# Altium PCB PCB1.PcbDoc (part 1 of 2) (continued)
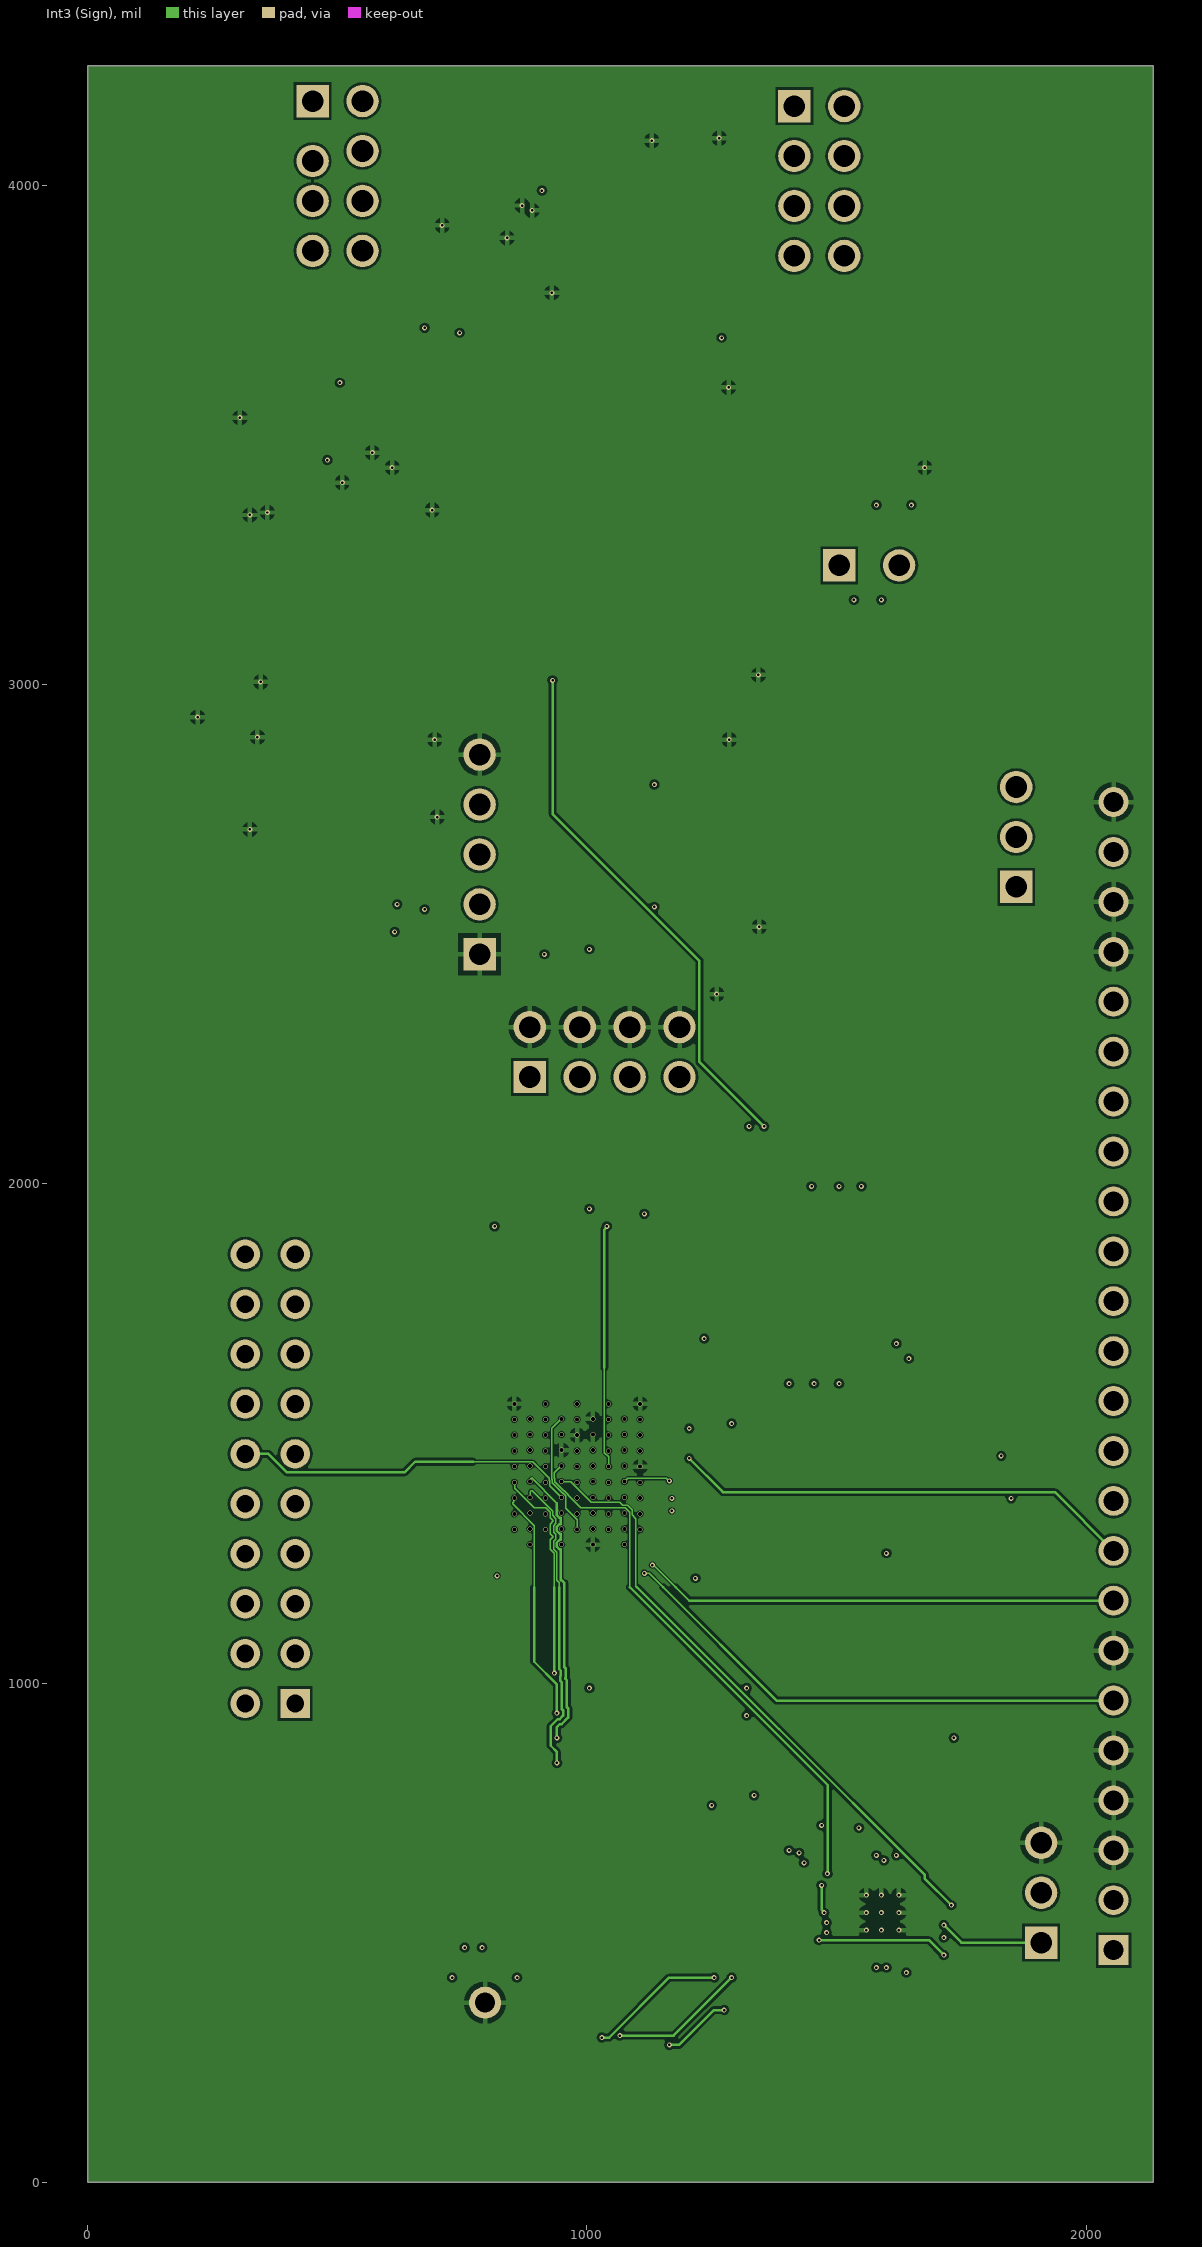
[diagram p4: Int3 (Sign)]
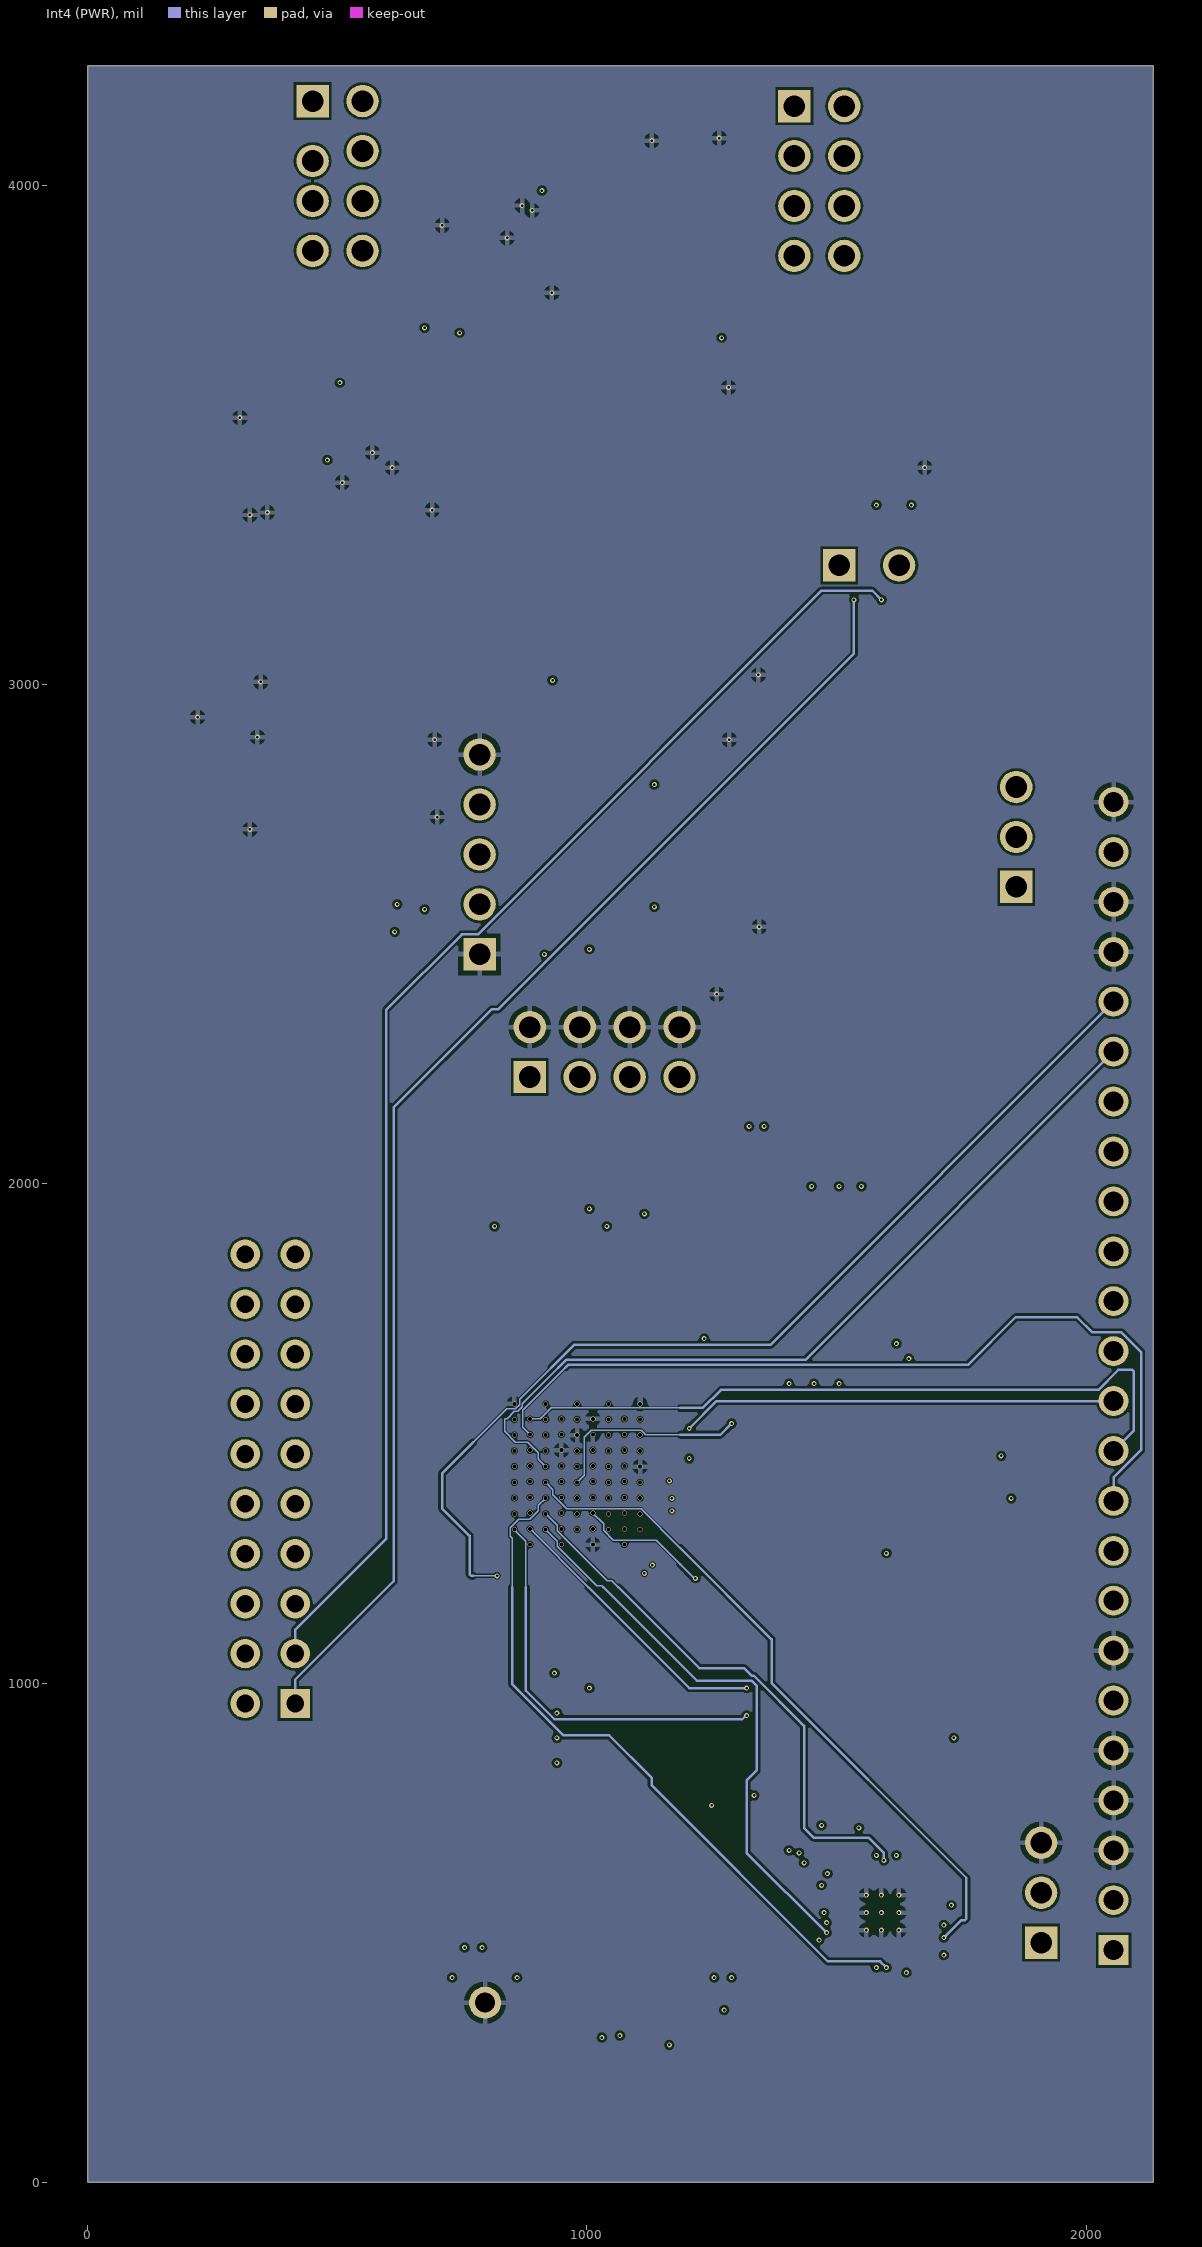
[diagram p5: Int4 (PWR)]
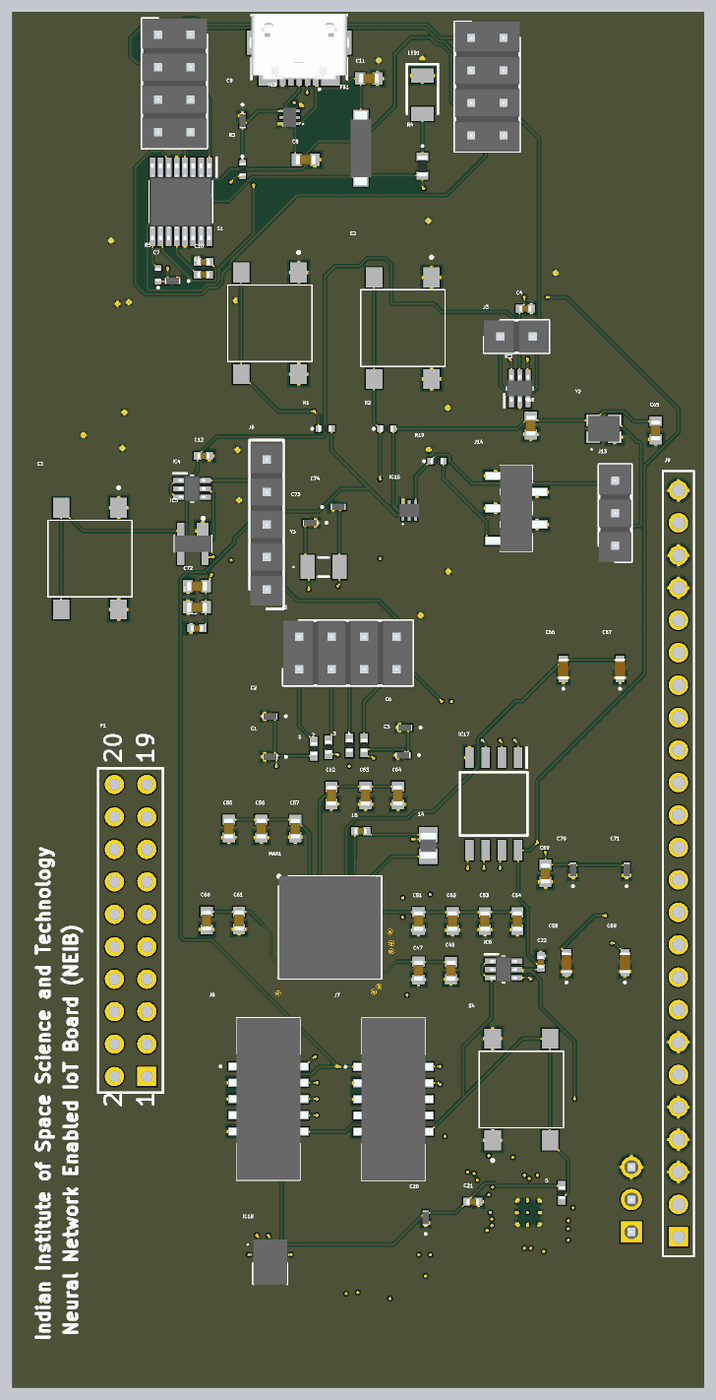
[diagram p7: 3D render of the assembled board from above, using the file's embedded part models]
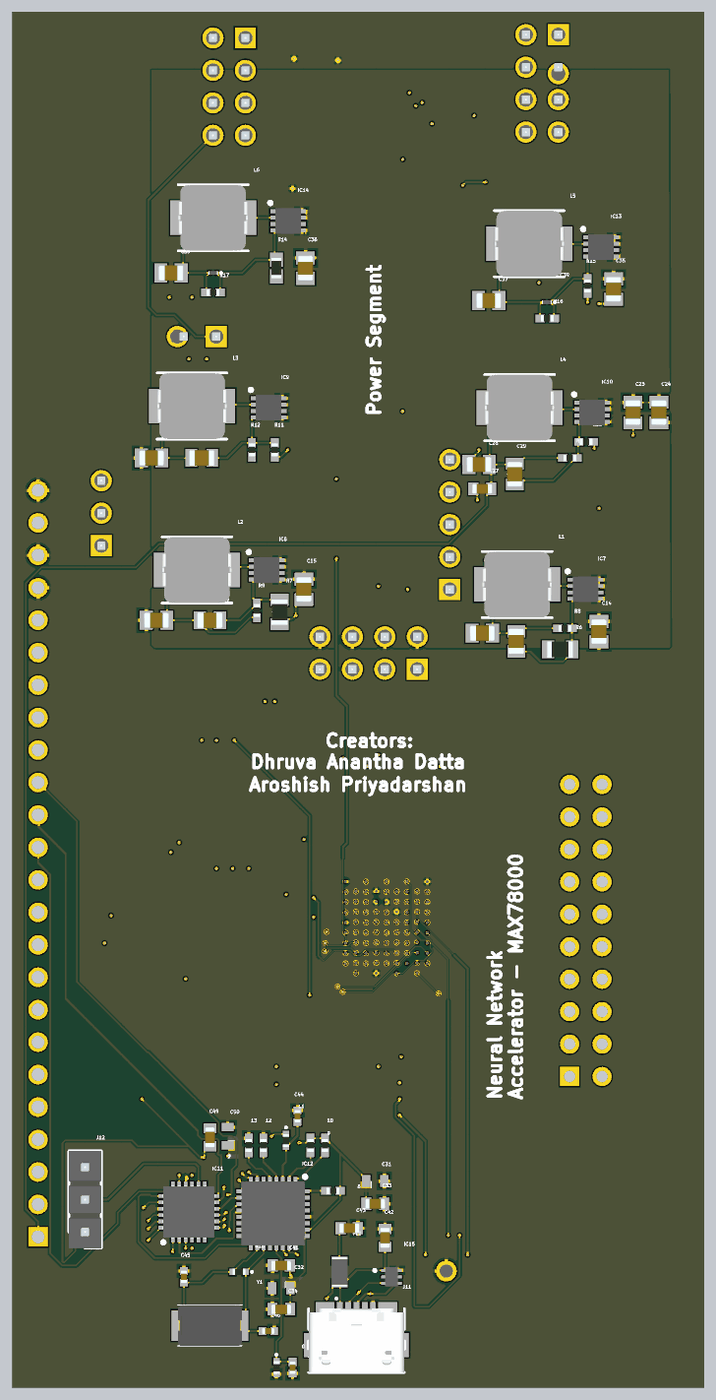
[diagram p8: 3D render of the assembled board from below, using the file's embedded part models]

## Layer stack, top to bottom
Top Solder: solder mask 1, SM-001, Dk 4
Top Layer: signal copper 1.378
Dielectric 1: prepreg 2.8, PP-006, Dk 4.1
Dielectric 2: prepreg 2.8, PP-006, Dk 4.1
Int1 (GND): signal copper 1.378
Dielectric 3: core 18, Core-035, Dk 4.7
Int2 (Sign): signal copper 1.378
Dielectric 4: prepreg 2.8, PP-006, Dk 4.1
Dielectric 5: prepreg 2.8, PP-006, Dk 4.1
Int3 (Sign): signal copper 1.378
Dielectric 6: core 18, Core-035, Dk 4.7
Int4 (PWR): signal copper 1.378
Dielectric 7: prepreg 2.8, PP-006, Dk 4.1
Dielectric 8: prepreg 2.8, PP-006, Dk 4.1
Bottom Layer: signal copper 1.378
Bottom Solder: solder mask 1, SM-001, Dk 4

## Board outline
0,0 2135,0 2135,4240 0,4240

## Design rules (kind name [scope] priority, off if disabled: settings)
Clearance Clearance_BGA [WithinRoom('BGA')] p1: gap=2 ignorepadtopadclearanceinfootprint=TRUE
Clearance [All] p2: gap=5 ignorepadtopadclearanceinfootprint=FALSE
FanoutControl Fanout_BGA [IsBGA] p1: bgadir=Out bgaviamode=Centered fanoutstyle=Staggered fanoutdirection=Alternating viagrid=1 // Fanout_BGA (Default Rule)
PolygonConnect [All] p1: connectstyle=Relief reliefconductorwidth=10 reliefentries=4 polygonreliefangle="90 Angle" airgapwidth=10
RoomDefinition BGA [False] p1: confinementstyle=ConfineIn formatcopy=TRUE lockcomponents=FALSE outline 772.01,1632.02 1187.01,1632.02 1187.01,1192.02 772.01,1192.02
RoutingVias RoutingVias_BGA [WithinRoom('BGA')] p1: holewidth=8 width=10 viastyle="Through Hole" minholewidth=8 minwidth=10 maxholewidth=8 maxwidth=10
RoutingVias [All] p2: holewidth=15 width=30 viastyle="Through Hole" minholewidth=15 minwidth=30 maxholewidth=15 maxwidth=30
SolderMaskExpansion [All] p1: expansion=4
Width Width_BGA [WithinRoom('BGA')] p1: maxlimit=5 minlimit=3 preferedwidth=3 toplayer_prefwidth=5 midlayer1_maxwidth=3 midlayer2_maxwidth=3 midlayer3_maxwidth=3 midlayer4_maxwidth=3 bottomlayer_maxwidth=3 minimp=50.000000 maximp=50.000000 favimp=50.000000
Width [All] p2: maxlimit=5 minlimit=5 preferedwidth=5
29 further rules are at their usual default settings.

## Components (designator, comment, footprint, x,y, rotation, side; value= is the part's Value field where it differs from the comment)
1 "ERJ-2GE0R00X" RESC1005X40N 930.51,1969.1 r90 top
2 "ERJ-2GE0R00X" RESC1005X40N 975.51,1974.1 r90 top
3 "ERJ-2GE0R00X" RESC1005X40N 1040.51,1979.1 r90 top
4 "ERJ-2GE0R00X" RESC1005X40N 1085.51,1979.1 r90 top
5 "RC0402FR-0710KL" RESC1005X40N 1695.51,600.76 r90 top
6 "RC0402FR-0710KL" RESC1005X40N 1145,607.01 r180 bottom
7 "04025A101FAT2A" CAPC1005X56N 1270,62.01 r270 bottom
8 "ERJ-2RKF1212X" ERJ2R_(0402) 1320,62.01 r270 bottom
9 "RC0402FR-0710KL" RESC1005X40N 1215,747.01 r270 bottom
10 "RC0402FR-0710KL" RESC1005X40N 1170,747.01 r270 bottom
11 "ERJ-2RKF4702X" ERJ2R_(0402) 1290,762.01 r270 bottom
12 "RC0402FR-0710KL" RESC1005X40N 1360,747.01 r270 bottom
13 "RC0402FR-0710KL" RESC1005X40N 1405,747.01 r270 bottom
14 "MLP2012H2R2MT0S1" INDC2012X105N 1283.5,1670.53 r90 top
15 "GRM155R71H332KA01J" CAPC1005X55N 1075,1715 r180 top
C1 "C1005C0G1H470F050BA" C1005_Commercial 795.51,1944.1 r180 top
C2 "C1005C0G1H470F050BA" C1005_Commercial 794.76,2069.1 r180 top
C3 "C1005C0G1H470F050BA" C1005_Commercial 1205.51,1949.1 r180 top
C4 "GRM155R71C104KA88D" CAPC1005X55N 1583.11,3325 r0 top
C5 "GRM155R71C104KA88D" CAPC1005X55N 590,3430 r0 top
C6 "C1005C0G1H470F050BA" C1005_Commercial 1210.51,2034.1 r180 top
C7 "C1005C0G1H470F050BA" C1005_Commercial 495,3410 r180 top
C8 "C0603C104K5RACTU" CAPC1608X95N 905.51,3784.1 r180 top
C9 "C1005C0G1H470F050BA" C1005_Commercial 710.51,3904.1 r270 top
C10 "GRM155R71C104KA88D" CAPC1005X55N 590.51,3469.1 r180 top
C11 "GMK107BJ105KA-T" CAPC1608X90N 1100.51,4034.1 r180 top
C12 "GRM155R71C104KA88D" CAPC1005X55N 590,2871.34 r0 top
C13 "GRM155R71C104KA88D" CAPC1005X55N 570,2340 r180 top
C14 "C0805C106K8PACTU" CAPC2012X140N 325,2330 r90 bottom
C15 "C0805C106K8PACTU" CAPC2012X140N 1235,2460 r90 bottom
C16 "C0805C106K8PACTU" CAPC2012X140N 685,2325 r0 bottom
C17 "C0805C106K8PACTU" CAPC2012X140N 1690,2365 r0 bottom
C18 "CC0805JRNPO9BN120" CAPC2012X70N 580,2300 r270 bottom
C19 "CC0805JRNPO9BN120" CAPC2012X70N 1525,2365 r180 bottom
C20 "C1005C0G1H470F050BA" C1005_Commercial 1275.51,523.35 r90 top
C21 "GRM155R71C104KA88D" CAPC1005X55N 1420.51,573.35 r0 top
C22 "GRM155R71C104KA88D" CAPC1005X55N 1630.51,1312.21 r90 top
C23 "C0805C106K8PACTU" CAPC2012X140N 220,3005 r90 bottom
C24 "C0805C106K8PACTU" CAPC2012X140N 140,3005 r90 bottom
C25 "C0805C106K8PACTU" CAPC2012X140N 1705,2865 r0 bottom
C26 "C0805C106K8PACTU" CAPC2012X140N 695,2845 r0 bottom
C27 "C0603C104K5RACTU" CAPC1608X95N 685,2770 r180 bottom
C28 "CL21C330JBANNNC" CAPC2012X75N 1550,2865 r180 bottom
C29 "CL21C180JBANNNC" CAPC2012X135N 585,2815 r270 bottom
C30 "C0603C104K5RACTU" CAPC1608X95N 570,2405 r0 top
C31 "C0603C475K8PACTU" CAPC1608X85N 1015,637.01 r0 bottom
C32 "C0603C475K8PACTU" CAPC1608X85N 1305,307.01 r180 bottom
C33 "C0603C104K5RACTU" CAPC1608X95N 1015,567.01 r180 bottom
C34 "C0603C104K5RACTU" CAPC1608X95N 1305,242.01 r0 bottom
C35 "C0805C106K8PACTU" CAPC2012X140N 280,3385 r90 bottom
C36 "C0805C106K8PACTU" CAPC2012X140N 1230,3450 r90 bottom
C37 "C0805C106K8PACTU" CAPC2012X140N 665,3350 r0 bottom
C38 "C0805C106K8PACTU" CAPC2012X140N 1645,3435 r0 bottom
C39 "C0603C0G1H680K030BA" C0603_Commercial 485.83,3345 r0 bottom
C40 "C0603C0G1H680K030BA" C0603_Commercial 1515,3435 r0 bottom
C41 "GMK107BJ105KA-T" CAPC1608X90N 1305,377.01 r180 bottom
C42 "C0603C104K5RACTU" CAPC1608X95N 985,462.01 r270 bottom
C43 "GMK107BJ105KA-T" CAPC1608X90N 1095,492.01 r0 bottom
C44 "GRM155R61A474KE15J" CAPC1005X55N 1255,837.01 r270 bottom
C45 "GRM1555C1H270JA01D" CAPC1005X55N 1605,342.01 r90 bottom
C46 "GRM1555C1H270JA01D" CAPC1005X55N 1345,175 r180 bottom
C47 "C0603C104K5RACTU" CAPC1608X95N 1253.5,1285.53 r90 top
C48 "GMK107BJ105KA-T" CAPC1608X90N 1353.5,1285.53 r90 top
C49 "C0603C104K5RACTU" CAPC1608X95N 1525,772.01 r90 bottom
C50 "C0603C475K8PACTU" CAPC1608X85N 1470,775.01 r270 bottom
C51 "C0603C104K5RACTU" CAPC1608X95N 1253.5,1438.09 r90 top
C52 "C0603C104K5RACTU" CAPC1608X95N 1358.5,1438.09 r90 top
C53 "GMK107BJ105KA-T" CAPC1608X90N 1458.5,1438.09 r90 top
C54 "GMK107BJ105KA-T" CAPC1608X90N 1558.5,1438.09 r90 top
C55 "C0603C104K5RACTU" CAPC1608X95N 668.5,1723.09 r90 top
C56 "C0603C104K5RACTU" CAPC1608X95N 768.5,1723.09 r90 top
C57 "GMK107BJ105KA-T" CAPC1608X90N 873.5,1723.09 r90 top
C58 "C1608X5R0J226M080AC" C1608_Commercial 1710,1310 r90 top
C59 "C1608X5R0J226M080AC" C1608_Commercial 1890,1310 r90 top
C60 "C0603C104K5RACTU" CAPC1608X95N 600,1440 r90 top
C61 "GMK107BJ105KA-T" CAPC1608X90N 700,1440 r90 top
C62 "GMK107BJ105KA-T" CAPC1608X90N 985,1825 r90 top
C63 "C0603C104K5RACTU" CAPC1608X95N 1090,1825 r90 top
C64 "C0603C104K5RACTU" CAPC1608X95N 1190,1825 r90 top
C65 "C0603C104K5RACTU" CAPC1608X95N 1985,2950 r90 top
C66 "C1608X5R0J226M080AC" C1608_Commercial 1700,2215 r90 top
C67 "C1608X5R0J226M080AC" C1608_Commercial 1875,2215 r90 top
C68 "C0603C104K5RACTU" CAPC1608X95N 1600,2965 r90 top
C69 "GMK107BJ105KA-T" CAPC1608X90N 1645,1585 r90 top
C70 "C1005C0G1H470F050BA" C1005_Commercial 1730,1595 r90 top
C71 "C1005C0G1H470F050BA" C1005_Commercial 1895,1595 r90 top
C72 "C0603C104K5RACTU" CAPC1608X95N 570,2470 r0 top
C73 "C1005C0G1H470F050BA" C1005_Commercial 920,2665 r180 top
C74 "C1005C0G1H470F050BA" C1005_Commercial 1005.51,2714.1 r0 top
FB1 "BLM41PG102SN1L" BLM41PG102SH1L 1075.51,3819.1 r270 top
FL1 "BLM21AG121SN1D" BLM21AG102BH1J 1125,357.01 r90 bottom
IC1 "FT230XS-R" SOP64P599X175-16N 520.51,3654.1 r270 top
IC2 "NL27WZ07DFT2G" SOT65P210X110-6N 1565.51,3079.1 r90 top
IC3 "MAX13202EALT+" MAX13202EALT 855.51,3914.1 r90 top
IC4 "NL27WZ07DFT2G" SOT65P210X110-6N 555,2770 r0 top
IC5 "MAX6816EUS+T" MAX812REUST 557.8,2600.63 r180 top
IC6 "NL27WZ07DFT2G" SOT65P210X110-6N 1515.51,1289.1 r0 top
IC7 "TPS62060DSGR" SON50P200X200X80-9N 366.34,2460.47 r180 bottom
IC8 "TPS62060DSGR" SON50P200X200X80-9N 1350,2520 r180 bottom
IC9 "TPS62060DSGR" SON50P200X200X80-9N 1343.66,3019.53 r180 bottom
IC10 "TPS62060DSGR" SON50P200X200X80-9N 346.34,3005.47 r180 bottom
IC11 "MAX4948ETG+" QFN50P400X400X80-25N 1590,542.01 r90 bottom
IC12 "FT4222HQ-D-R" QFN50P500X500X90-33N 1330,537.01 r270 bottom
IC13 "TPS62060DSGR" SON50P200X200X80-9N 318.66,3515.16 r180 bottom
IC14 "TPS62060DSGR" SON50P200X200X80-9N 1283.66,3595.47 r180 bottom
IC15 "MAX13202EALT+T" MAX13202EALTT 965,342.01 r270 bottom
IC16 "MAX13202EALT+" MAX13202EALT 1225,2703.11 r0 top
IC17 "IS25LP128-JBLE" SOIC127P790X216-8N 1485.51,1799.1 r270 top
IC18 "SPH0645LM4H-1-8" SPH0645LM4H18 795.94,359.81 r0 top
J1 "PEC04DAAN" HDRV8W64P254_2X4_1016X508X838P#1 885.51,2214.1 r0 top
J2 "PEC04DAAN" HDRV8W64P254_2X4_1016X508X838P#1 1415.51,4159.1 r270 top
J3 "PEC02SAAN" HDRV2W64P0X254_1X2_508X254X838P 1505.51,3239.1 r0 top
J4 "47346-0001" "usb conn" 885.51,4229.1 r0 top
J5 "PEC04DAAN" HDRV8W64P254_2X4_1016X508X838P#2 450.51,4169.1 r270 top
J6 "PEC05SAAN" HDRV5W64P0X254_1X5_1270X254X858P 785,2460 r90 top
J7 "3220-10-0300-00-TR" 322010030000TR 1176.02,889.1 r270 top
J8 "3220-10-0300-00-TR" 322010030000TR 790.51,890 r270 top
J9 "SSW-124-01-T-S" SAMTEC_SSW-124-01-T-S 2055,2765 r90 top
J11 "47346-0001" "usb conn" 1072.97,47.36 r0 bottom
J12 "PEC03SAAN" HDRV3W64P0X254_1X3_762X254X838P 1910,480 r90 bottom
J13 "PEC03SAAN" HDRV3W64P0X254_1X3_762X254X838P 1860,2595 r90 top
J14 "M52-5050545" M525050545 1555,2710 r90 top
L1 "IHLP2020CZER1R0M8A" INDPM5552X300N 577.48,2475 r0 bottom
L2 "IHLP2020CZER1R0M8A" INDPM5552X300N 1565,2520 r0 bottom
L3 "IHLP2020CZER1R0M8A" INDPM5552X300N 1580,3025 r0 bottom
L4 "IHLP2020CZER1R0M8A" INDPM5552X300N 570,3020 r0 bottom
L5 "IHLP2020CZER1R0M8A" INDPM5552X300N 540,3525 r0 bottom
L6 "IHLP2020CZER1R0M8A" INDPM5552X300N 1515,3605 r0 bottom
LED1 "HSMR-C150" LEDC3216X120N 1265.51,3984.1 r270 top
MAX1 "MAX78000EXG+" max78000 980.51,1418.52 r0 top
P1 "Header 10X2" HDR2X10 415.51,959.1 r90 top
R1 "ERJ-2RKF4992X" ERJ2R_(0402) 965.18,2955 r0 top
R2 "ERJ-2RKF4992X" ERJ2R_(0402) 1155.18,2955 r0 top
R3 "ERJ-2RKF27R0X" ERJ2R_(0402) 710.51,3754.1 r270 top
R4 "ERJ3EKF2701V" ERJ3EK_(0603) 1265.51,3764.1 r270 top
R5 "ERJ-2RKF27R0X" ERJ2R_(0402) 450.51,3429.28 r90 top
R6 "RT0805BRD07111KL" RESC2012X60N 445,2275 r0 bottom
R7 "RT0805BRD07111KL" RESC2012X60N 1310,2390 r270 bottom
R8 "CRCW0402499KFKED" RESC1005X40N 430,2340 r180 bottom
R9 "CRCW0402499KFKED" RESC1005X40N 1380,2395 r90 bottom
R10 "CRCW0402102KFKED" RESC1005X40N 365,2915 r180 bottom
R11 "CRCW0402100KFKED" RESC1005X40N 1325,2890 r270 bottom
R12 "CRCW0402200KFKED" RESC1005X40N 1395,2890 r90 bottom
R13 "CRCW0402374KFKED" RESC1005X40N 415,2865 r180 bottom
R14 "RC0603FR-07120KL" RESC1608X55N 1320,3450 r270 bottom
R15 "CRCW0402100KFKED" RESC1005X40N 360,3395 r270 bottom
R16 "CRCW0402100KFKED" RESC1005X40N 485,3295 r180 bottom
R17 "CRCW0402100KFKED" RESC1005X40N 1515,3375 r180 bottom
R18 "ERJ-2RKF1004X" ERJ2R_(0402) 1435,357.01 r0 bottom
R19 "ERJ-2RKF33R2X" ERJ2R_(0402) 1310.18,2855 r0 top
S1 "B3S-1000P" B3S1000P 795,3280 r90 top
S2 "B3S-1000P" B3S1000P 1205,3265 r90 top
S3 "B3S-1000P" B3S1000P 240,2555 r90 top
S4 "B3S-1000P" B3S1000P 1570.51,919.1 r270 top
Y1 "ABM3-12.000MHZ-D2Y-T" ABM38000MHzD2YT 1525,192.01 r180 bottom
Y2 "SG-210STF_12.2880ML3" SG210STF122880ML3 1825,2955 r0 top
Y3 "ABS07-32.768KHZ-6-T" ABS0732768KHZ6T 960.51,2529.1 r0 top
